# Altium PCB LaserControlBoard (Assembly top).PcbDoc (part 4 of 4)
Units mm, origin at the board's own origin, x right, y up, seen from the top; angles counter-clockwise.
Board outline 192.5 x 156.5 mm, 2 copper layers (Top Layer, Bottom Layer); 336 components, 319 nets, 1164 pads, 1747 vias.
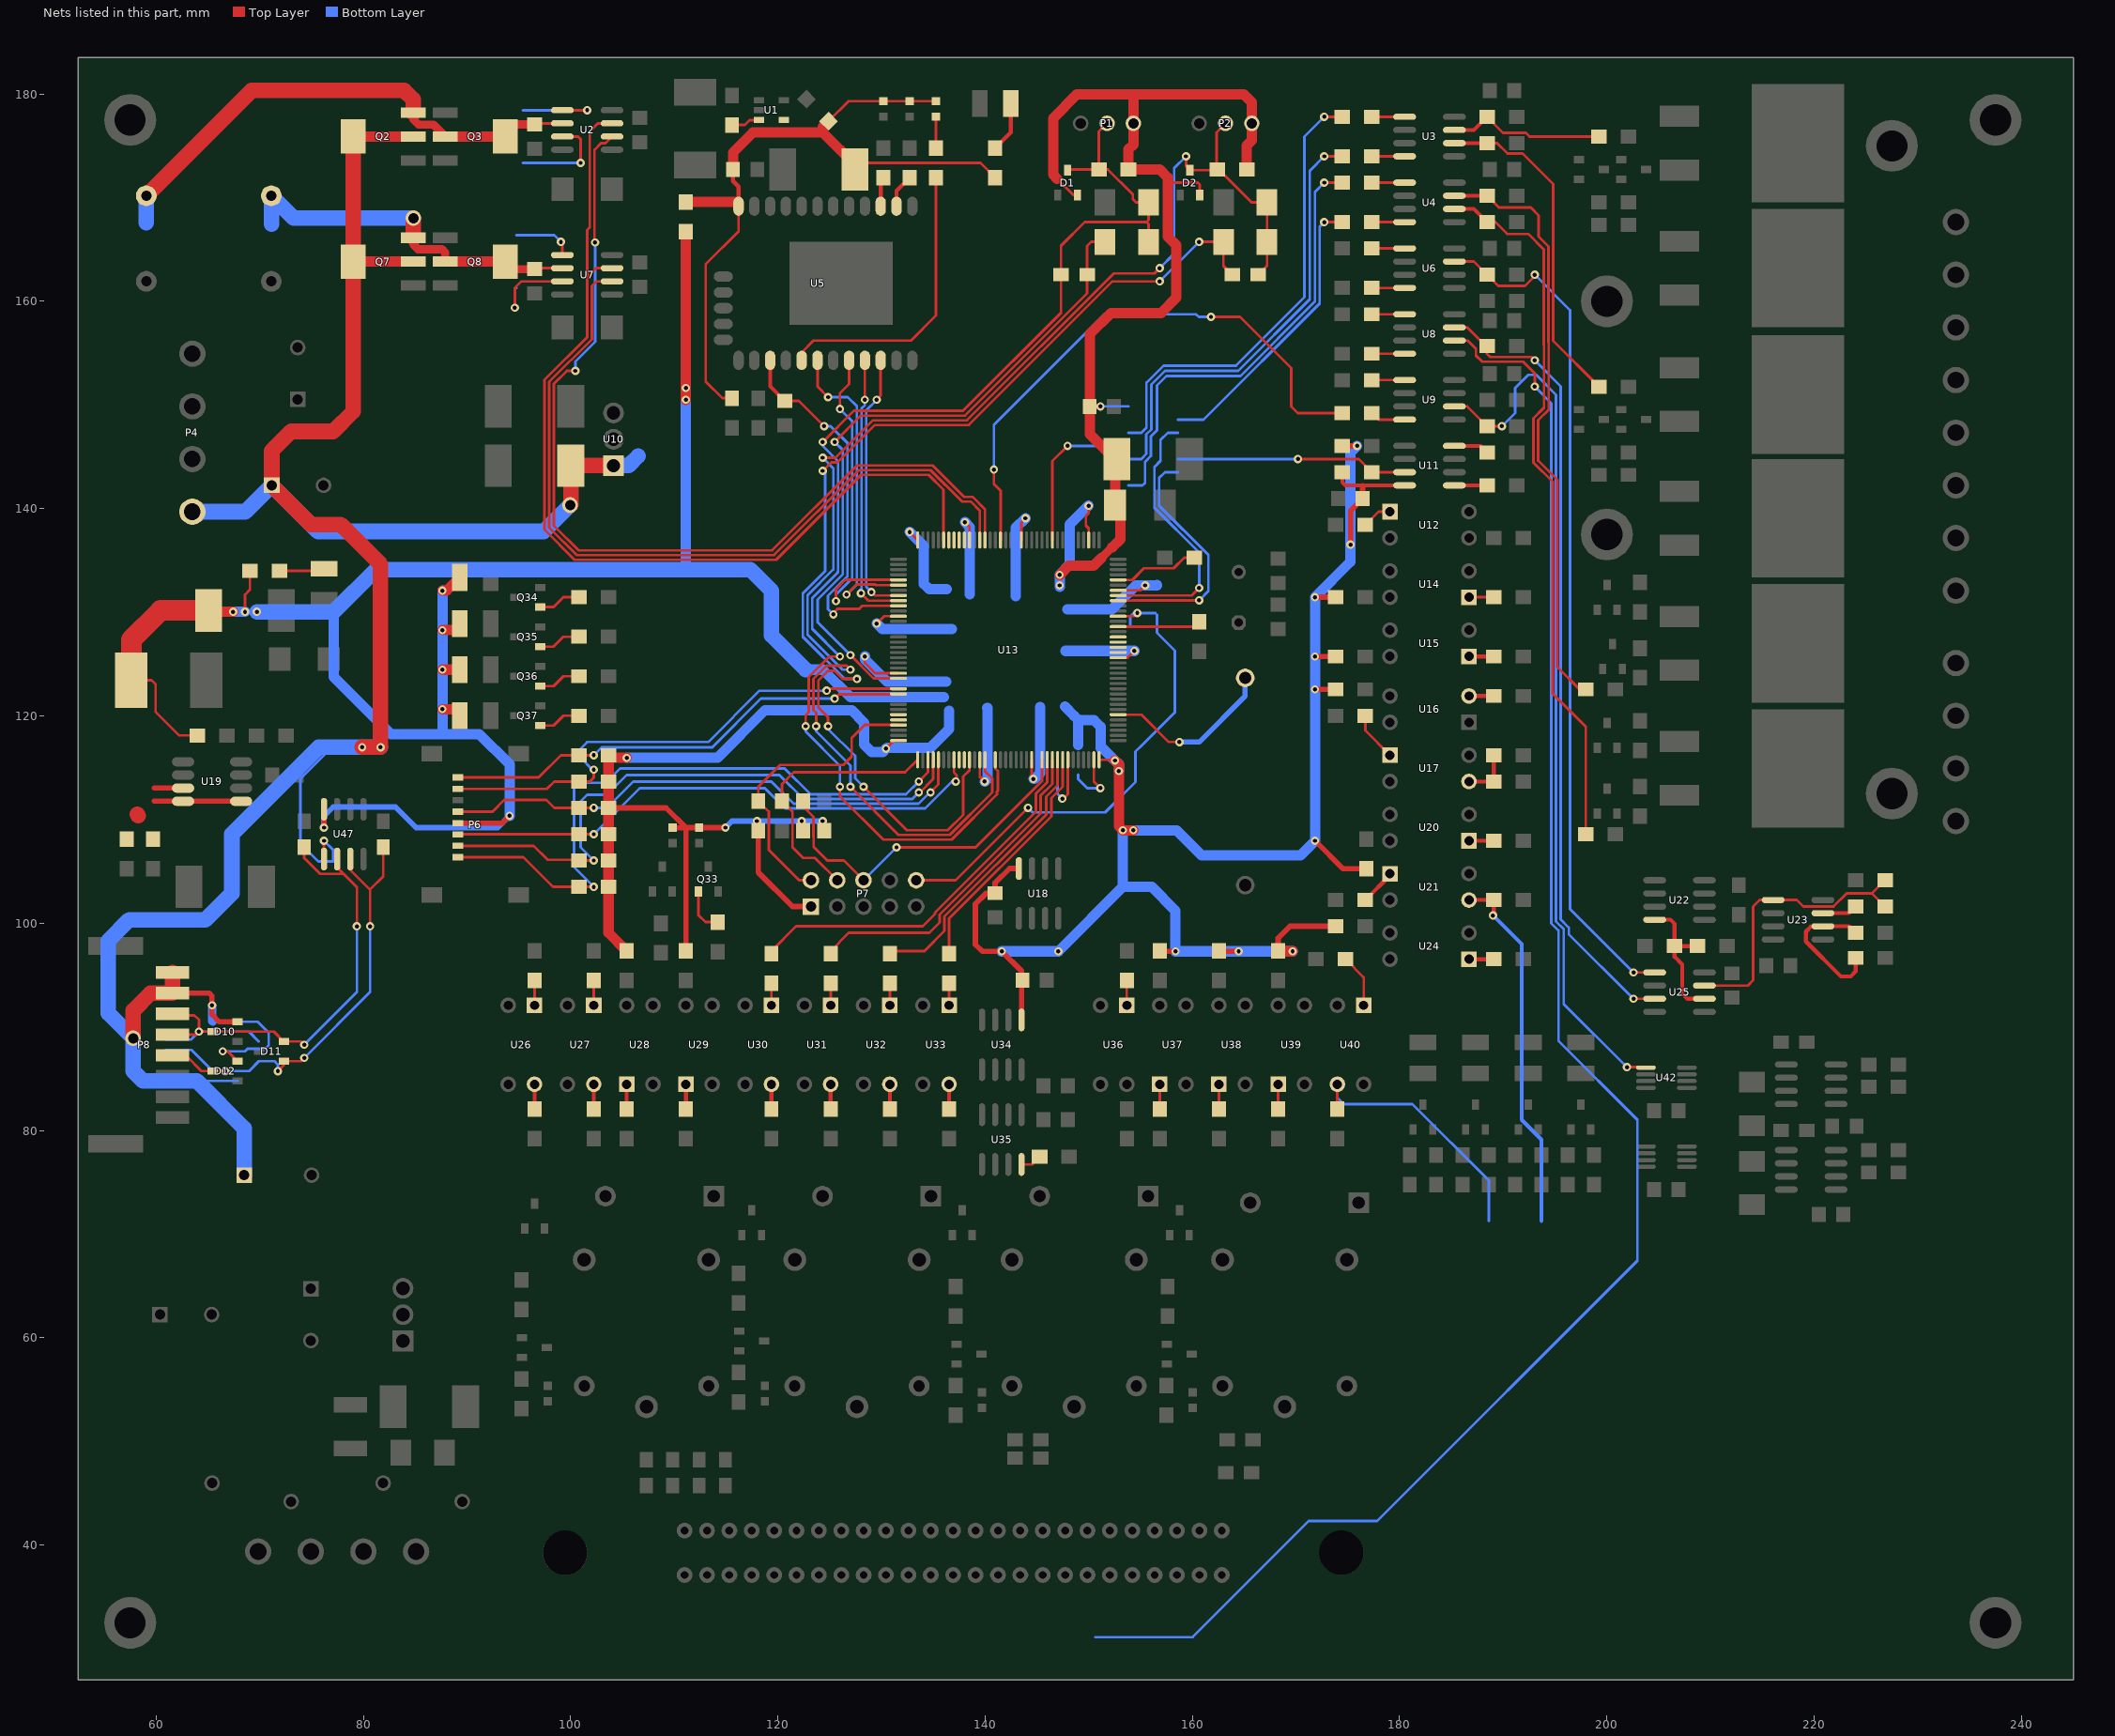
[diagram p4: the nets of this part, all layers, seen from the top]

## Via types
v1: diameter 0.8, hole 0.4, Top Layer to Bottom Layer, tented both sides, 1719 vias
v2: diameter 0.8, hole 0.4, Top Layer to Bottom Layer, 21 vias
v3: diameter 1.5, hole 1, Top Layer to Bottom Layer, 5 vias
v4: diameter 3, hole 2, Top Layer to Bottom Layer, 2 vias

## Nets (pads, with @x,y where several pads share a name; then routed paths per layer and width w, separated by ;. In a path a pad name is that pad's centre, name@x,y a point inside that pad or via, vN(x,y) a via of type N, cw(c..) or ccw(c..) an arc to the next point about the centre after c; other vN are vias at no path point) (continued)
NetQ33_1: Q33.1 R80.2 | length 4.4
  Top Layer w0.254: Q33.1@112.334,103.067 112.334,100.772 113.002,100.104 R80.2@114.173,100.104
NetQ34_1: Q34.1 R95.2 | length 4.1
  Top Layer w0.254: Q34.1@97.085,130.495 98.364,130.495 99.314,131.445 R95.2@100.81,131.445
NetQ35_1: Q35.1 R96.2 | length 4.1
  Top Layer w0.254: Q35.1@97.085,126.685 98.364,126.685 99.314,127.635 R96.2@100.81,127.635
NetQ36_1: Q36.1 R114.2 | length 4.1
  Top Layer w0.254: Q36.1@97.085,122.875 98.364,122.875 99.314,123.825 R114.2@100.81,123.825
NetQ37_1: Q37.1 R115.2 | length 4.1
  Top Layer w0.254: Q37.1@97.085,119.065 98.364,119.065 99.314,120.015 R115.2@100.81,120.015
NetR1_1: R1.1 U1.3 | length 2.8
  Top Layer w0.254: R1.1@115.57,177.01 116.812,177.01 117.287,177.485 U1.3@118.18,177.485
NetR2_1: R2.1 | length 44.9
  Top Layer w0.254: v1(172.72,177.8) R2.1@174.47,177.8
  Bottom Layer w0.254: 153.81,147.32 155.067,147.32 155.575,147.828 155.575,152.146 157.226,153.797 164.211,153.797 170.815,160.401 170.815,175.895 v1(172.72,177.8)
NetR2_2: R2.2 U3.1 | length 3.2
  Top Layer w0.254: R2.2@177.32,177.8 U3.1@180.48,177.8
NetR3_1: R3.1 R4.1 U3.7 | length 15.3
  Top Layer w0.254: R3.1@188.44,177.8 189.978,176.262 192.175,176.262 192.542,175.895 ; 192.532,175.895 R4.1@199.235,175.895
  Top Layer w0.384: U3.7@185.28,176.53 187.17,176.53 R3.1@188.44,177.8
NetR5_1: R5.1 R27.1 U3.6 | length 32.6
  Top Layer w0.254: R5.1@188.44,175.26 189.403,175.26 190.405,174.258 191.883,174.258 194.818,171.323 194.818,156.182 R27.1@199.235,151.765
  Top Layer w0.384: U3.6@185.28,175.26 R5.1@188.44,175.26
NetR6_2: R6.2 U5.15 | length 2.9
  Top Layer w0.384: U5.15@129.921,169.175 129.921,171.676 R6.2@130.175,171.93
NetR7_2: R7.2 U5.14 | length 3.3
  Top Layer w0.384: U5.14@131.445,169.175 131.445,170.66 R7.2@132.715,171.93
NetR8_1: R8.1 RUN1.1 | length 3
  Top Layer w0.254: R8.1@135.255,174.78 RUN1.1@135.255,177.812
NetR8_2: R8.2 U5.5 | length 28.5
  Top Layer w0.254: U5.5@122.301,154.305 122.301,155.067 123.444,156.21 132.842,156.21 135.255,158.623 R8.2@135.255,171.93
NetR9_1: "WIFI PWR 1.2" R9.1 | length 4.9
  Top Layer w0.384: R9.1@140.97,174.78 142.47,176.28 142.47,179.07
NetR10_1: R10.1 | length 43.7
  Top Layer w0.254: v1(172.72,173.99) R10.1@174.47,173.99
  Bottom Layer w0.254: 153.81,144.78 155.067,144.78 155.548,145.261 155.548,147.159 156.029,147.64 156.029,151.958 157.36,153.289 164.421,153.289 171.323,160.191 171.323,172.593 v1(172.72,173.99)
NetR10_2: R10.2 U3.4 | length 3.2
  Top Layer w0.254: R10.2@177.32,173.99 U3.4@180.48,173.99
NetR13_1: R13.1 | length 43.8
  Top Layer w0.254: v1(172.72,171.45) R13.1@174.47,171.45
  Bottom Layer w0.254: 153.81,142.24 155.194,142.24 155.429,142.475 155.429,144.5 156.002,145.073 156.002,146.971 156.591,147.56 156.591,151.878 157.494,152.781 164.632,152.781 171.831,159.98 171.831,170.561 v1(172.72,171.45)
NetR13_2: R13.2 U4.1 | length 3.2
  Top Layer w0.254: R13.2@177.32,171.45 U4.1@180.48,171.45
NetR14_1: R14.1 R49.1 U4.7 | length 57.7
  Top Layer w0.254: R14.1@188.44,170.18 189.583,169.037 192.659,169.037 193.421,168.275 193.421,166.243 194.364,165.3 194.364,155.994 194.383,155.975 194.383,149.545 193.367,148.529 193.367,144.622 195.218,142.771 195.218,124.714 197.377,122.555 R49.1@197.965,122.555
  Top Layer w0.384: U4.7@185.28,170.18 R14.1@188.44,170.18
NetR16_1: R16.1 | length 28.1
  Top Layer w0.254: v1(172.72,167.64) R16.1@174.47,167.64
  Bottom Layer w0.254: 158.61,148.59 161.083,148.59 172.285,159.792 172.285,167.205 v1(172.72,167.64)
NetR16_2: R16.2 U4.4 | length 3.2
  Top Layer w0.254: R16.2@177.32,167.64 U4.4@180.48,167.64
NetR17_1: R17.1 R69.1 U4.6 | length 69.2
  Top Layer w0.254: R17.1@188.44,167.64 189.23,167.64 190.373,166.497 192.405,166.497 193.91,164.992 193.91,155.806 193.929,155.787 193.929,149.733 192.913,148.717 192.913,144.434 194.764,142.583 194.764,122.144 197.965,118.943 R69.1@197.965,108.585
  Top Layer w0.384: U4.6@185.28,168.91 187.17,168.91 R17.1@188.44,167.64
NetR19_1: R19.1 U6.1 | length 3.2
  Top Layer w0.254: R19.1@177.32,165.1 U6.1@180.48,165.1
NetR20_1: R20.1 U6.7 U25.1 | length 82.6
  Top Layer w0.254: U6.7@185.28,163.83 187.17,163.83 R20.1@188.44,162.56 189.51,161.49 192.107,161.49 193.04,162.423 v1(193.04,162.56) ; v1(202.565,95.25) U25.1@204.61,95.25
  Bottom Layer w0.254: v1(193.04,162.56) 196.454,159.146 196.454,101.361 v1(202.565,95.25)
NetR21_1: R21.1 U6.4 | length 3.2
  Top Layer w0.254: R21.1@177.32,161.29 U6.4@180.48,161.29
NetR23_1: R23.1 U8.1 | length 3.2
  Top Layer w0.254: R23.1@177.32,158.75 U8.1@180.48,158.75
NetR24_1: R24.1 U8.7 U25.3 | length 77
  Top Layer w0.254: U8.7@185.28,157.48 186.535,157.48 188.44,155.575 188.44,154.914 188.722,154.632 192.713,154.632 v1(193.04,154.305) ; v1(202.565,92.71) U25.3@204.61,92.71
  Bottom Layer w0.254: v1(193.04,154.305) 195.546,151.799 195.546,100.357 196.323,99.58 196.323,98.952 v1(202.565,92.71)
NetR25_1: R25.1 U8.4 | length 3.2
  Top Layer w0.254: R25.1@177.32,154.94 U8.4@180.48,154.94
NetR26_1: R26.1 U9.1 | length 3.2
  Top Layer w0.254: R26.1@177.32,152.4 U9.1@180.48,152.4
NetR30_1: R30.1 U9.4 | length 3.4
  Top Layer w0.254: R30.1@177.32,149.225 177.955,148.59 U9.4@180.48,148.59
NetR33_1: R33.1 U11.4 | length 3.4
  Top Layer w0.384: U11.4@185.28,146.05 187.805,146.05 R33.1@188.44,145.415
NetR35_1: R35.1 U11.7 | length 22.4
  Top Layer w0.254: v1(170.18,144.78) 176.05,144.78 R35.1@177.32,143.51 U11.7@180.48,143.51
  Bottom Layer w0.254: 158.61,144.78 v1(170.18,144.78)
NetR37_2: R37.2 U11.1 | length 3.2
  Top Layer w0.384: U11.1@185.28,142.24 R37.2@188.44,142.24
NetR38_1: R38.1 U12.1 | length 2.9
  Top Layer w0.254: R38.1@176.685,138.43 177.955,139.7 U12.1@179.07,139.7
NetR40_1: R40.1 U13.32 | length 8.2
  Top Layer w0.254: U13.32@152.84,133.115 154.204,133.115 155.328,134.239 158.196,134.239 159.212,135.255 R40.1@160.175,135.255
NetR41_1: "STM PWR 1.2" R41.1 | length 3.8
  Top Layer w0.254: R41.1@71.91,133.985 75.335,133.985 75.565,134.215
NetR44_1: R44.1 U14.1 | length 2.4
  Top Layer w0.254: U14.1@186.69,131.445 R44.1@189.075,131.445
NetR45_1: R45.1 U13.23 | length 8
  Top Layer w0.254: U13.23@152.863,128.592 U13.23@152.84,128.615 160.21,128.615 R45.1@160.655,129.06
NetR48_1: R48.1 U15.1 | length 2.4
  Top Layer w0.384: U15.1@186.69,125.73 R48.1@189.075,125.73
NetR50_2: R50.2 U35.8 | length 2.1
  Top Layer w0.254: U35.8@143.51,76.721 144.511,76.721 R50.2@145.26,77.47
NetR52_2: R52.2 U16.2 | length 2.4
  Top Layer w0.384: U16.2@186.69,121.92 R52.2@189.075,121.92
NetR58_1: R58.1 U17.1 | length 4.8
  Top Layer w0.254: R58.1@176.685,120.015 176.685,118.59 U17.1@179.07,116.205
NetR59_2: R59.2 R61.2 U17.3 | length 4.9
  Top Layer w0.384: U17.3@186.69,113.665 R61.2@189.075,113.665 R59.2@189.075,116.205
NetR70_1: R70.1 R71.1 U19.1 U19.7 U19.8 | length 11.4
  Top Layer w0.5: 59.817,111.76 U19.8@62.605,111.76 U19.1@68.205,111.76 ; 59.817,113.03 U19.7@62.605,113.03
  Top Layer w1.5: 58.166,110.49 58.293,110.363
NetR73_1: R73.1 U20.1 | length 2.4
  Top Layer w0.384: U20.1@186.69,107.95 R73.1@189.075,107.95
NetR75_1: R75.1 U21.1 | length 3.5
  Top Layer w0.384: R75.1@176.685,102.235 179.07,104.62 U21.1@179.07,104.775
NetR76_1: R76.1 R82.2 U23.5 U25.7 | length 28.1
  Top Layer w0.254: U25.7@209.41,93.98 213.614,93.98 214.122,94.488 214.122,101.6 214.757,102.235 216.09,102.235 218.313,102.235 218.948,101.6 221.869,101.6 223.139,102.87 225.58,102.87 ; R82.2@226.85,101.6 225.58,102.87 ; R76.1@226.85,104.14 225.58,102.87
NetR81_2: R81.2 U21.3 | length 35.4
  Top Layer w0.384: U21.3@186.69,102.235 R81.2@189.075,102.235 189.075,100.739 v1(189.004,100.739)
  Bottom Layer w0.384: v1(189.004,100.739) 191.77,97.973 191.77,81.026 193.675,79.121 193.675,71.275
NetR82_1: R82.1 U23.3 | length 3.5
  Top Layer w0.384: U23.3@220.79,100.965 223.365,100.965 R82.1@224,101.6
NetR84_2: R84.2 R101.2 U23.2 | length 13.9
  Top Layer w0.384: R101.2@224,96.647 224,95.349 223.52,94.869 222.568,94.869 219.202,98.235 219.202,99.187 219.71,99.695 220.79,99.695 223.365,99.695 R84.2@224,99.06
NetR87_1: R87.1 U26.1 | length 2.4
  Top Layer w0.254: U26.1@96.519,92.075 R87.1@96.519,94.46
NetR88_1: R88.1 U27.1 | length 2.4
  Top Layer w0.254: U27.1@102.235,92.075 R88.1@102.235,94.46
NetR91_1: R91.1 U30.1 | length 2.4
  Top Layer w0.254: U30.1@119.379,92.075 R91.1@119.379,94.46
NetR92_1: R92.1 U31.1 | length 2.4
  Top Layer w0.254: U31.1@125.094,92.075 R92.1@125.094,94.46
NetR93_1: R93.1 U32.1 | length 2.4
  Top Layer w0.254: U32.1@130.809,92.075 R93.1@130.809,94.46
NetR94_1: R94.1 U33.1 | length 2.4
  Top Layer w0.254: U33.1@136.524,92.075 R94.1@136.524,94.46
NetR97_1: R97.1 U36.1 | length 2.4
  Top Layer w0.254: U36.1@153.67,92.075 R97.1@153.67,94.46
NetR102_1: R102.1 U40.1 | length 5.4
  Top Layer w0.254: R102.1@174.78,96.52 176.53,94.77 U40.1@176.53,92.075 U40.1@176.685,92.23
NetR103_1: R103.1 U24.1 | length 2.4
  Top Layer w0.381: U24.1@186.69,96.52 R103.1@189.075,96.52
NetR106_1: R106.1 U26.4 | length 2.4
  Top Layer w0.384: R106.1@96.519,82.07 U26.4@96.519,84.455
NetR107_1: R107.1 U27.4 | length 2.4
  Top Layer w0.384: R107.1@102.235,82.07 U27.4@102.235,84.455
NetR108_1: R108.1 U28.1 | length 2.4
  Top Layer w0.384: R108.1@105.409,82.07 U28.1@105.409,84.455
NetR109_1: R109.1 U29.1 | length 2.4
  Top Layer w0.384: R109.1@111.125,82.07 U29.1@111.125,84.455
NetR110_1: R110.1 U30.4 | length 2.4
  Top Layer w0.384: R110.1@119.379,82.07 U30.4@119.379,84.455
NetR111_1: R111.1 U31.4 | length 2.4
  Top Layer w0.384: R111.1@125.094,82.07 U31.4@125.094,84.455
NetR112_1: R112.1 U32.4 | length 2.4
  Top Layer w0.384: R112.1@130.809,82.07 U32.4@130.809,84.455
NetR113_1: R113.1 U33.4 | length 2.4
  Top Layer w0.384: R113.1@136.524,82.07 U33.4@136.524,84.455
NetR117_1: R117.1 U37.1 | length 2.4
  Top Layer w0.254: R117.1@156.845,82.07 U37.1@156.845,84.455
NetR118_1: R118.1 U38.1 | length 2.4
  Top Layer w0.254: R118.1@162.56,82.07 U38.1@162.56,84.455
NetR119_1: R119.1 U39.1 | length 2.4
  Top Layer w0.254: R119.1@168.275,82.07 U39.1@168.275,84.455
NetR120_2: R120.2 U40.3 | length 25.5
  Top Layer w0.254: R120.2@173.99,82.07 U40.3@173.99,84.455
  Bottom Layer w0.254: U40.3@173.99,84.455 173.99,83.185 174.625,82.55 181.229,82.55 188.595,75.184 188.595,71.275
NetR147_1: U2.5 | length 8.6
  Top Layer w0.254: U2.5@99.2,178.435 v1(101.6,178.435)
  Bottom Layer w0.254: 95.405,178.435 v1(101.6,178.435)
NetR148_1: U2.7 | length 9.7
  Top Layer w0.254: U2.7@99.2,175.895 100.711,175.895 100.965,175.641 v1(100.965,173.355)
  Bottom Layer w0.254: 95.405,173.355 v1(100.965,173.355)
NetR149_2: U7.5 | length 5.9
  Top Layer w0.254: v1(99.06,165.735) 99.2,165.595 U7.5@99.2,164.465
  Bottom Layer w0.254: 94.77,166.37 98.425,166.37 v1(99.06,165.735)
NetR150_2: U7.7 | length 8.7
  Top Layer w0.254: v1(94.615,159.385) 94.615,161.29 95.25,161.925 U7.7@99.2,161.925
  Bottom Layer w0.254: v1(94.615,159.385) 94.615,161.135 94.77,161.29
NetR152_2: U13.143 | length 5.9
  Top Layer w0.254: U13.143@150.49,115.765 150.49,113.66 v1(151.12,113.03)
  Bottom Layer w0.254: 148.99,114.34 148.99,113.9 149.86,113.03 v1(151.12,113.03)
NetR153_2: U13.138 | length 6.6
  Top Layer w0.254: v1(147.447,112.014) 147.574,112.014 147.99,112.43 U13.138@147.99,115.765
  Bottom Layer w0.254: 146.99,114.34 146.99,112.471 v1(147.447,112.014)
NetR157_1: U8.6 | length 166.5
  Top Layer w0.254: U8.6@185.28,156.21 186.563,156.21 187.363,155.41 187.363,154.765 187.95,154.178 191.897,154.178 193.04,153.035 v1(193.04,151.765)
  Bottom Layer w0.254: 150.65,31.115 160.02,31.115 171.219,42.314 177.82,42.314 202.946,67.44 202.946,81.026 195.326,88.646 195.326,99.293 194.638,99.981 194.638,150.167 v1(193.04,151.765)
NRESET: P7.10 U13.25 | length 49.4
  Top Layer w0.254: P7.10@133.35,104.14 137.16,104.14 v1(144.145,111.125) ; U13.25@152.84,129.615 154.38,129.615 v1(154.686,129.921)
  Bottom Layer w0.254: v1(144.145,111.125) 144.58,110.69 151.584,110.69 154.505,113.611 154.505,114.702 154.502,114.705 154.502,116.548 155.213,117.259 155.239,117.259 158.315,120.335 158.315,126.299 156.591,128.023 156.591,129.766 ; 154.015,128.615 154.015,129.615 154.321,129.921 v1(154.686,129.921) 156.436,129.921
PELTIER: U13.46 | length 15.5
  Top Layer w0.254: U13.46@146.49,136.965 146.49,143.142 146.49,144.585 v1(147.955,146.05)
  Bottom Layer w0.254: v1(147.955,146.05) 153.81,146.05
REF2.5V: R85.2 R86.1 U22.8 U25.6 | length 13.7
  Top Layer w0.384: U22.8@204.61,100.33 206.121,100.33 206.53,99.921 R85.2@206.53,97.79 ; R86.1@208.76,97.79 R85.2@206.53,97.79 ; U25.6@209.41,92.71 207.772,92.71 207.264,93.218 207.264,96.012 206.53,96.746 R85.2@206.53,97.79
RELAY1: R91.2 U13.134 | length 36.6
  Top Layer w0.254: R91.2@119.379,97.31 121.764,99.695 133.985,99.695 135.162,100.872 135.162,101.02 144.907,110.765 144.907,112.503 145.99,113.586 U13.134@145.99,115.765
RELAY2: R92.2 U13.135 | length 31.9
  Top Layer w0.254: R92.2@125.094,97.31 126.844,99.06 134.62,99.06 135.616,100.056 135.616,100.832 145.361,110.577 145.361,112.315 146.49,113.444 U13.135@146.49,115.765
RELAY3: R93.2 U13.136 | length 27.1
  Top Layer w0.254: R93.2@130.809,97.31 134.14,97.31 136.07,99.24 136.07,100.644 145.889,110.463 145.889,112.201 146.99,113.302 U13.136@146.99,115.765
RELAY4: R94.2 U13.137 | length 22.2
  Top Layer w0.254: R94.2@136.524,97.31 136.524,100.456 146.388,110.32 146.388,112.057 147.49,113.16 147.49,114.935
RS232_DWIN_RX: D10.3 D11.2 J5.0 P8.3 P8.4 U47.2 | length 53.2
  Top Layer w0.254: P8.4@61.595,89.25 63.85,89.25 v1(64.135,89.535) ; P8.3@61.595,91.25 61.732,91.113 63.7,91.113 64.135,90.678 v1(64.135,89.535) ; v2(74.295,88.265) 73.98,88.58 D11.2@72.32,88.58 71.365,89.535 D10.3@65.475,89.535 v1(64.135,89.535) ; J5.0@74.295,107.335 74.295,106.299 75.836,104.758 78.105,104.758 ; U47.2@77.47,106.185 77.47,105.393 78.105,104.758 ; v2(79.375,99.695) 79.375,103.488 78.105,104.758
  Bottom Layer w0.254: 60.96,88.765 63.365,88.765 v1(64.135,89.535) 67.875,89.535 68.965,89.535 69.92,88.58 ; v2(74.295,88.265) 79.375,93.345 v2(79.375,99.695)
RS232_DWIN_TX: D11.1 D12.3 J4.0 P8.5 U47.3 | length 49
  Top Layer w0.254: P8.5@61.595,87.25 62.864,87.25 64.389,85.725 D12.3@65.475,85.725 v1(66.675,85.725) ; v1(71.755,85.725) 72.32,86.29 D11.1@72.32,86.68 73.98,86.68 v2(74.295,86.995) ; U47.3@78.74,106.185 78.74,105.156 80.645,103.251 ; v2(80.645,99.695) 80.645,103.251 ; J4.0@81.915,107.335 81.915,104.521 80.645,103.251
  Bottom Layer w0.254: 60.96,87.765 63.435,87.765 65.475,85.725 v1(66.675,85.725) 68.965,85.725 69.92,86.68 71.435,86.68 71.755,86.36 v1(71.755,85.725) ; v2(74.295,86.995) 80.645,93.345 v2(80.645,99.695)
SDIO_CK: P6.4 R67.1 U13.113 | length 52.3
  Top Layer w0.254: P6.4@89.126,110.762 92.474,110.762 93.599,111.887 97.663,111.887 98.425,111.125 R67.1@100.81,111.125 v1(102.235,111.125) ; v1(134.724,112.614) 134.724,112.626 135.49,113.392 U13.113@135.49,115.765 U13.113@135.513,115.742
  Bottom Layer w0.254: v1(102.235,111.125) 103.505,111.125 106.045,113.665 119.38,113.665 121.523,111.522 133.563,111.522 134.655,112.614 v1(134.724,112.614)
SDIO_CMD: P6.6 R68.1 U13.116 | length 54
  Top Layer w0.254: P6.6@89.126,108.562 89.149,108.585 R68.1@100.81,108.585 v1(102.235,108.585) ; U13.116@136.967,115.742 U13.116@136.99,115.765 136.99,114.554 137.244,114.3 137.244,113.749 v1(137.16,113.665)
  Bottom Layer w0.254: v1(102.235,108.585) 106.68,113.03 118.745,113.03 120.707,111.068 134.206,111.068 136.803,113.665 v1(137.16,113.665)
SDIO_D0: P6.2 R60.1 U13.98 | length 50
  Top Layer w0.254: P6.2@89.126,112.962 97.722,112.962 98.425,113.665 R60.1@100.81,113.665 101.854,113.665 102.235,114.046 v1(102.235,114.808) ; v1(124.714,122.428) 124.901,122.615 U13.98@131.64,122.615
  Bottom Layer w0.254: v1(102.235,114.808) 102.108,114.808 100.965,115.951 100.965,116.84 101.6,117.475 113.284,117.475 118.237,122.428 v1(124.714,122.428)
SDIO_D1: P6.1 R57.1 U13.99 | length 45.8
  Top Layer w0.254: P6.1@89.126,114.062 96.917,114.062 99.06,116.205 R57.1@100.81,116.205 v1(102.235,116.205) ; v1(125.476,121.666) 125.902,122.092 131.617,122.092 U13.99@131.64,122.115
  Bottom Layer w0.254: v1(102.235,116.205) 102.997,116.967 113.665,116.967 118.364,121.666 v1(125.476,121.666)
SDIO_D2: P6.8 R78.1 U13.111 | length 62.7
  Top Layer w0.254: P6.8@89.126,106.362 95.441,106.362 98.298,103.505 R78.1@100.81,103.505 v1(102.235,103.505) ; v1(133.604,113.665) 134.49,114.551 U13.111@134.49,115.765
  Bottom Layer w0.254: v1(102.235,103.505) 100.33,105.41 100.33,113.03 100.838,113.538 103.378,113.538 104.775,114.935 120.65,114.935 123.155,112.43 132.369,112.43 v1(133.604,113.665)
SDIO_D3: P6.7 R74.1 U13.112 | length 58.6
  Top Layer w0.254: P6.7@89.126,107.462 96.441,107.462 97.79,106.113 100.742,106.113 R74.1@100.81,106.045 v1(102.235,106.045) ; v1(133.604,112.614) 133.696,112.614 134.99,113.908 U13.112@134.99,115.765
  Bottom Layer w0.254: v1(102.235,106.045) 100.965,107.315 100.965,111.76 101.604,112.399 103.509,112.399 105.41,114.3 120.142,114.3 122.466,111.976 132.966,111.976 v1(133.604,112.614)
SPI2_MISO: U13.28 | length 24
  Top Layer w0.254: U13.28@152.84,131.115 154.139,131.115 154.176,131.152 v1(160.655,131.152)
  Bottom Layer w0.254: 158.61,143.51 157.353,143.51 156.791,142.948 156.791,140.269 161.544,135.516 161.544,132.041 v1(160.655,131.152)
SPI2_MOSI: U13.29 | length 26.4
  Top Layer w0.254: U13.29@152.84,131.615 159.936,131.615 v1(160.655,132.334)
  Bottom Layer w0.254: 158.61,147.32 157.635,147.32 156.929,146.613 156.929,144.61 156.337,144.018 156.337,140.081 160.655,135.763 v1(160.655,132.334)
SPK_OUT1: C4.2 L2.1 Q2.3 Q3.2 Q3.4 U2.6 | length 51.1
  Top Layer w0.254: C4.2@96.52,177.07 96.615,177.165 U2.6@99.2,177.165
  Top Layer w0.5: Q3.4@93.705,175.895 93.705,177.07 Q3.4@94.742,177.07
  Top Layer w0.8: Q2.3@84.815,178.195 84.815,177.567 85.344,177.038 86.762,177.038 Q3.2@87.905,175.895 ; Q3.4@94.742,177.07 C4.2@96.52,177.07
  Top Layer w1: Q3.2@87.905,175.895 Q3.4@93.705,175.895
  Top Layer w1.5: L2.1@59.055,170.18 69.215,180.34 83.947,180.34 84.815,179.472 Q2.3@84.815,178.195
  Bottom Layer w1.5: 59.055,167.574 L2.1@59.055,170.18
SPK_OUT2: C10.2 L3.1 Q7.3 Q8.2 Q8.4 U7.6 | length 35.8
  Top Layer w0.254: C10.2@96.52,163.1 96.615,163.195 U7.6@99.2,163.195
  Top Layer w0.8: Q7.3@84.815,166.13 84.815,165.502 85.287,165.03 87.573,165.03 87.905,164.698 Q8.2@87.905,163.83 ; Q8.4@93.705,163.83 94.435,163.1 C10.2@96.52,163.1
  Top Layer w1: Q8.2@87.905,163.83 Q8.4@93.705,163.83
  Top Layer w1.5: Q7.3@84.815,166.13 84.815,168 v3(84.836,168.021)
  Bottom Layer w1.5: 71.12,167.447 L3.1@71.12,170.18 73.279,168.021 v3(84.836,168.021)
SWCLK: P7.4 R64.2 U13.109 | length 26.2
  Top Layer w0.254: P7.4@125.73,104.14 123.571,106.299 122.428,106.299 121.412,107.315 121.412,110.772 R64.2@120.396,111.788 120.396,113.411 121.539,114.554 132.279,114.554 U13.109@133.49,115.765
SWDIO: P7.2 R63.2 U13.105 | length 28.8
  Top Layer w0.254: P7.2@123.19,104.14 122.047,104.14 119.126,107.061 119.126,110.772 R63.2@118.11,111.788 118.11,113.157 120.22,115.267 126.316,115.267 127.127,116.078 127.127,117.863 128.39,119.126 131.629,119.126 U13.105@131.64,119.115
SWO: P7.6 R65.2 U13.133 | length 33.7
  Top Layer w0.254: R65.2@122.428,111.28 123.444,110.264 123.444,108.331 123.458,108.317 123.458,107.353 124.766,106.045 126.365,106.045 P7.6@128.27,104.14 ; v1(131.445,107.315) 139.077,107.315 145.49,113.728 U13.133@145.49,115.765